# Altium PCB NeuroPico Hub.PcbDoc (part 3 of 5)
Units mm, origin at the board's own origin, x right, y up, seen from the top; angles counter-clockwise.
Board outline 60 x 84 mm, 6 copper layers (Top Layer, Layer 2, Layer 3, Layer 4, Layer 5, Bottom Layer), stack 1.611 mm thick; 397 components, 237 nets, 1370 pads, 631 vias.
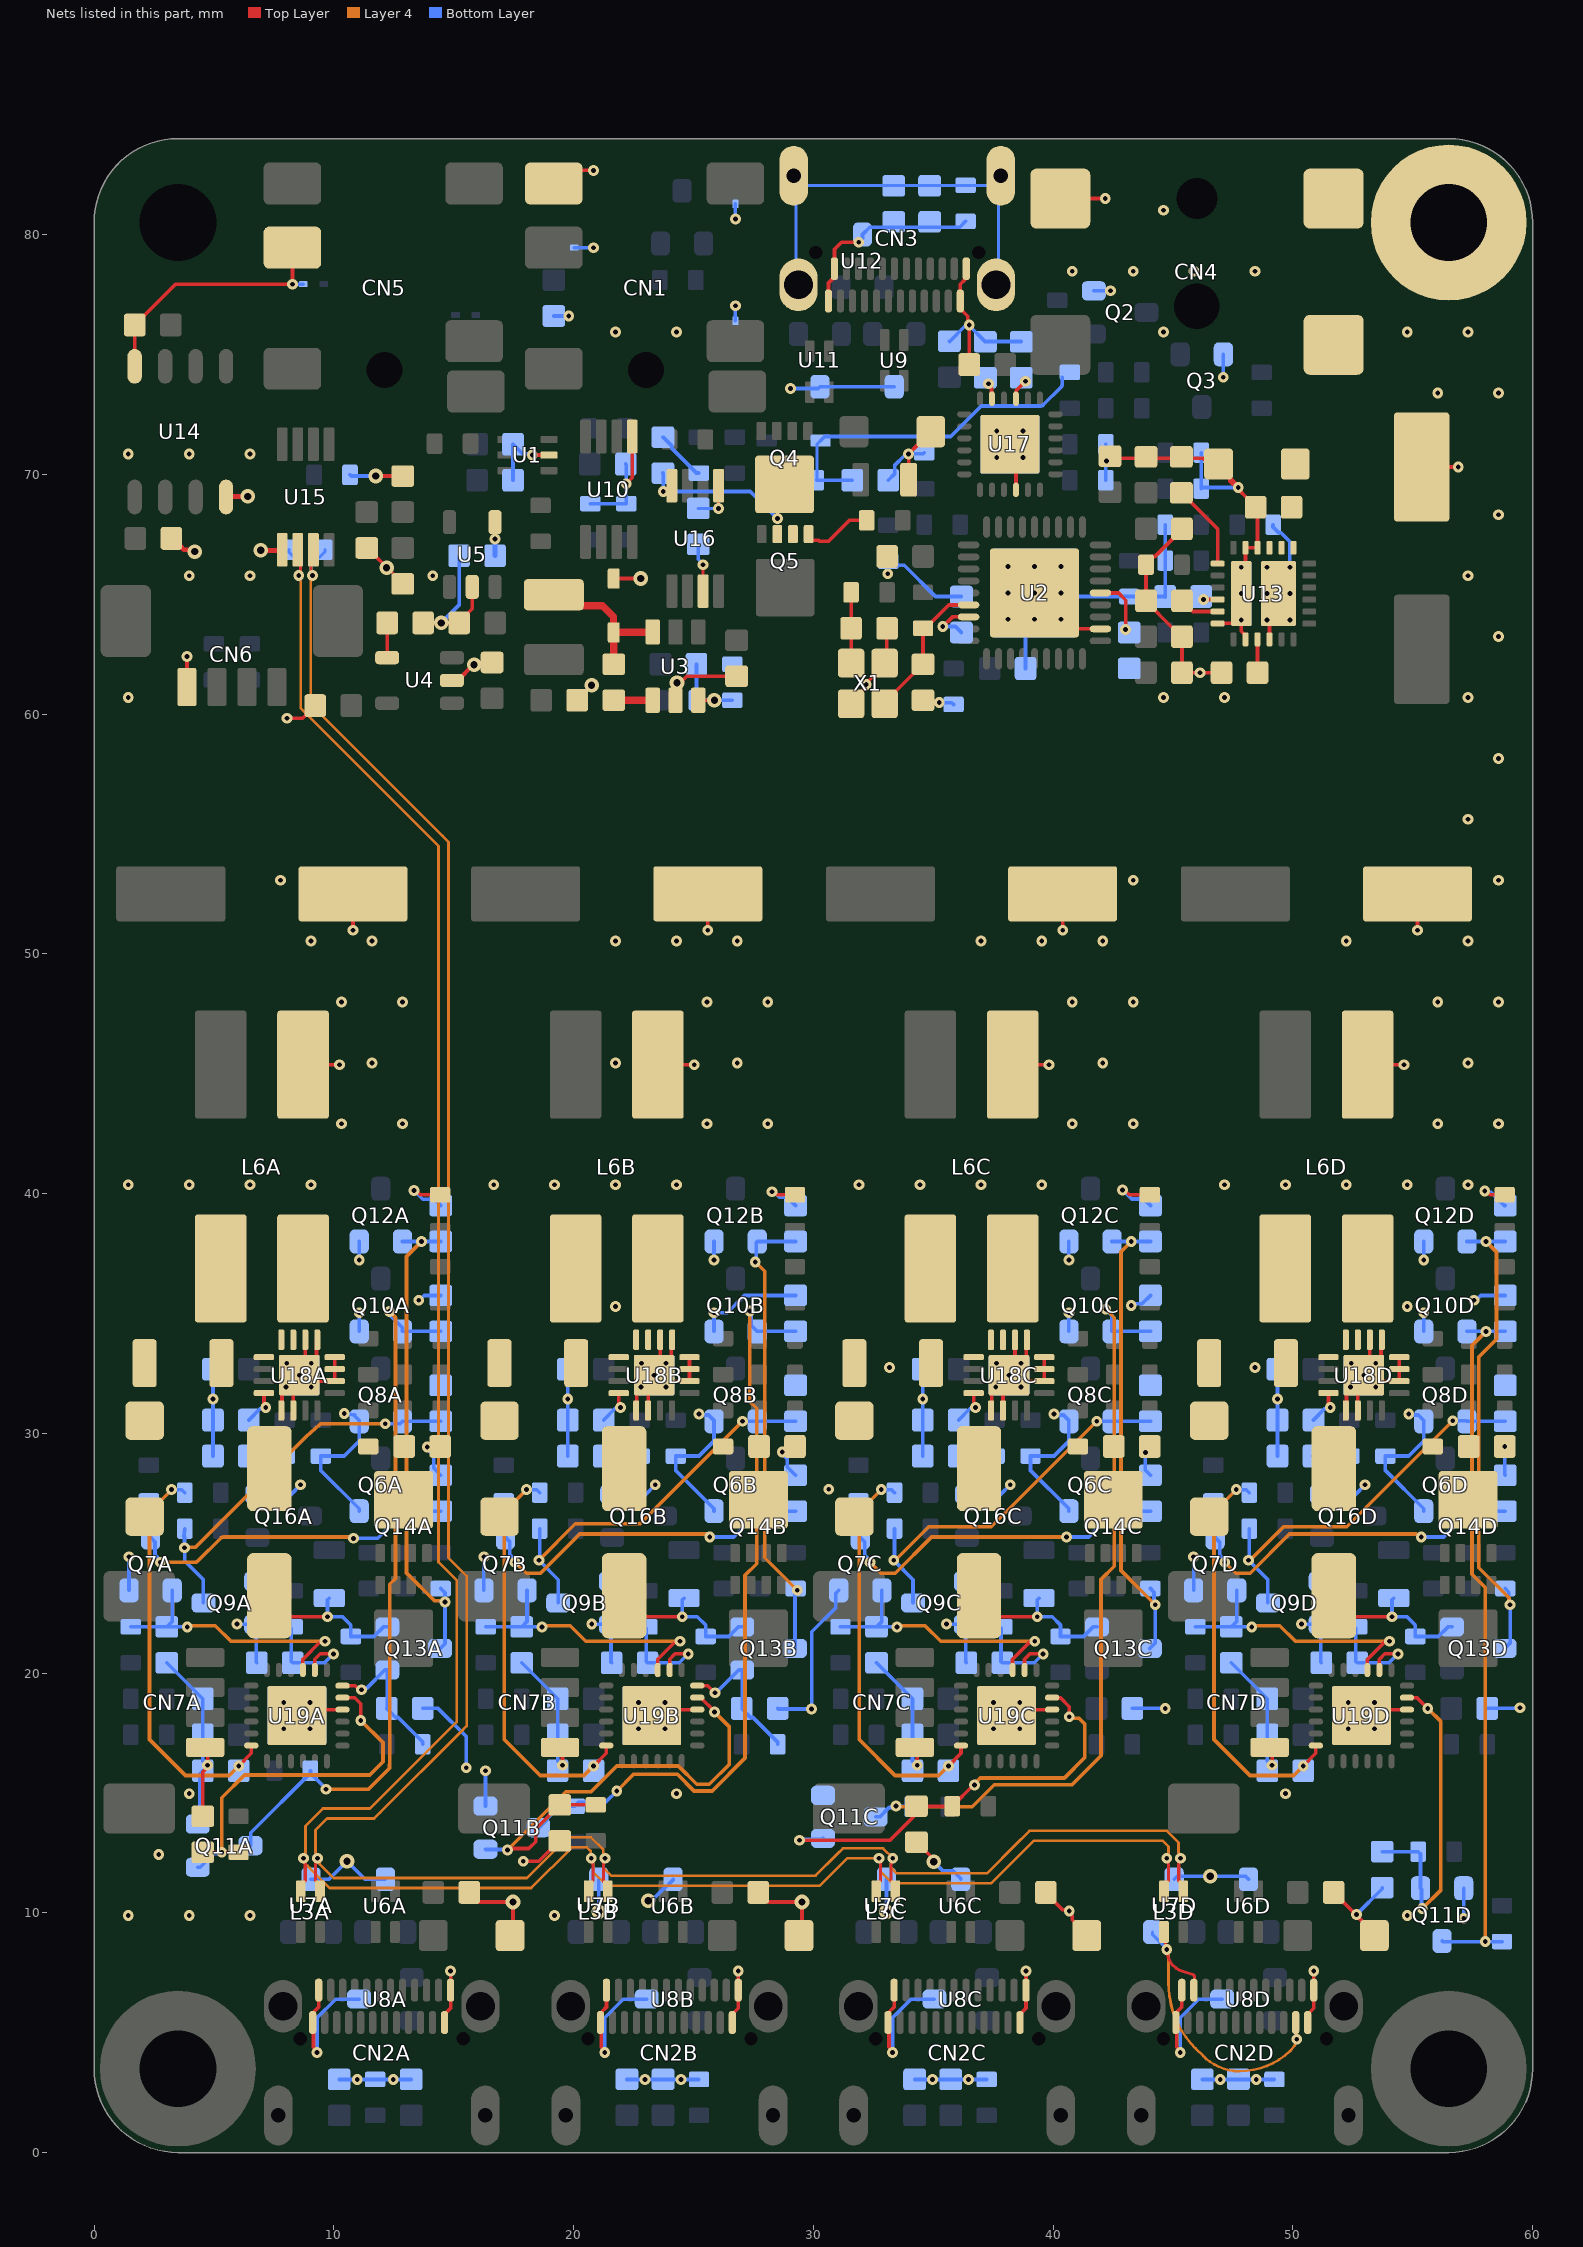
[diagram p7: the nets of this part, all layers, seen from the top]

## Via types
v1: diameter 0.45, hole 0.2, Top Layer to Bottom Layer, tented both sides, 570 vias
v2: diameter 0.5, hole 0.2, Top Layer to Bottom Layer, tented both sides, 38 vias
v3: diameter 0.61, hole 0.305, Top Layer to Bottom Layer, tented both sides, 23 vias

## Nets (pads, with @x,y where several pads share a name; then routed paths per layer and width w, separated by ;. In a path a pad name is that pad's centre, name@x,y a point inside that pad or via, vN(x,y) a via of type N, cw(c..) or ccw(c..) an arc to the next point about the centre after c; other vN are vias at no path point) (continued)
CLKOUT_CND_P: CN2D.A2 CN2D.B2 L3D.2 U7D.2 | length 16.5
  Top Layer w0.13: L3D.2@44.625,9.2 44.681,9.144 v1@44.681,8.531 ; CN2D.B2@50.12,5.425 cw(c50.074,5.379) 50.139,5.379 50.139,4.771 ccw(c50.205,4.771) v1(50.159,4.725) ; v1@44.681,8.531 v1(44.737,8.475) v1@44.681,8.531 ; 45.123,7.699 cw(c45.597,8.375) 44.771,8.385 ccw(c45.597,8.375) 45.123,7.699 ; 45.123,7.699 45.136,7.689 ; 45.123,7.699 45.136,7.689 ; 45.136,7.689 ccw(c45.542,8.268) 45.31,7.6 ; 45.136,7.689 ccw(c45.542,8.268) 45.31,7.6 ; 45.31,7.6 45.816,7.424 ; 45.31,7.6 45.816,7.424 ; 45.816,7.424 cw(c45.773,7.302) 45.903,7.302 ; 45.816,7.424 cw(c45.773,7.302) 45.903,7.302 ; CN2D.A2@45.903,7.138 CN2D.A2@45.87,6.775 CN2D.A2@45.903,7.138 ; CN2D.A2@45.903,7.138 45.903,7.302 ; CN2D.A2@45.903,7.138 45.903,7.302
  Layer 4 w0.112: v1(44.737,8.475) cw(c44.58,8.319) 44.801,8.319 44.801,8.278 ccw(c44.854,8.278) 44.817,8.24 44.817,7.095 ccw(c45.233,7.094) 44.817,7.094 44.817,7.092 44.817,7.055 ccw(c48.645,7.055) 44.846,6.582 ccw(c45.053,6.608) 44.847,6.572 cw(c43.88,6.4) 44.858,6.495 ccw(c45.065,6.516) 44.859,6.486 ccw(c48.645,7.055) 45.937,4.349 46.266,4.02 46.388,3.898 46.53,3.796 ccw(c47.78,5.537) 47.78,3.394 ccw(c47.78,6.449) 49.89,4.238 ccw(c49.524,4.62) 49.943,4.298 50.065,4.457 ccw(c49.977,4.525) 50.066,4.458 50.084,4.482 50.094,4.506 ; 50.094,4.506 v1@50.158,4.725
  Bottom Layer w0.13: U7D.2@44.15,9.2 44.15,9.081 v1@44.737,8.494 ; v1@44.737,8.494 v1(44.737,8.475) v1@44.737,8.494
CLKOUT_N: L3A.4 L3B.4 L3C.4 L3D.4 R29.1 U15.7 | length 109.3
  Top Layer w0.13: v1@9.042,65.955 9.042,66.742 U15.7@9.15,66.85 ; v1(9.314,12.275) 9.252,12.214 9.252,12.049 9.242,12.039 9.242,11.333 9.425,11.15 L3A.4@9.425,10.9 ; v1(21.314,12.275) 21.252,12.214 21.252,12.049 21.242,12.039 21.242,11.333 21.425,11.15 L3B.4@21.425,10.9 ; v1(33.314,12.275) 33.252,12.214 33.252,12.049 33.242,12.039 33.242,11.333 33.425,11.15 L3C.4@33.425,10.9 ; v1(45.314,12.275) 45.252,12.214 45.252,12.049 45.242,12.039 45.242,11.333 45.425,11.15 L3D.4@45.425,10.9
  Layer 4 w0.112: v1(9.113,65.775) 9.049,65.71 9.049,65.556 9.033,65.54 9.033,60.417 14.541,54.909 14.785,54.665 14.785,24.799 15.538,24.046 15.538,17.788 15.294,17.544 11.928,14.178 11.684,13.934 9.717,13.934 9.233,13.45 9.233,12.51 9.249,12.494 9.249,12.34 9.378,12.21 9.378,12.068 9.408,12.038 9.996,11.45 18.061,11.45 19.517,12.906 19.761,13.15 20.735,13.15 21.233,12.651 21.233,12.51 21.249,12.494 21.249,12.34 v1(21.314,12.275) 21.249,12.21 21.249,12.056 21.233,12.04 21.233,11.882 21.569,11.547 30.097,11.547 30.992,12.442 31.236,12.686 31.395,12.686 31.401,12.692 32.909,12.692 33.314,12.287 v1(33.314,12.275) 33.249,12.21 33.249,12.056 33.233,12.04 33.233,11.882 33.469,11.647 37.247,11.647 38.506,12.906 38.895,13.295 39.017,13.417 44.748,13.417 45.233,12.931 45.233,12.51 45.249,12.494 45.249,12.34 v1(45.314,12.275)
  Bottom Layer w0.13: v1(9.113,65.775) 9.113,65.862 9.042,65.933 9.042,66.176 9.625,66.759 R29.1@9.625,66.85
CLKOUT_P: L3A.1 L3B.1 L3C.1 L3D.1 R29.2 U15.6 | length 109.2
  Top Layer w0.13: U15.6@8.5,66.85 8.608,66.742 v1@8.608,65.955 ; L3A.1@8.625,10.9 8.625,11.15 8.808,11.333 8.808,12.039 8.798,12.049 8.798,12.214 v1(8.737,12.275) ; L3B.1@20.625,10.9 20.625,11.15 20.808,11.333 20.808,12.039 20.798,12.049 20.798,12.214 v1(20.737,12.275) ; L3C.1@32.625,10.9 32.625,11.15 32.808,11.333 32.808,12.039 32.798,12.049 32.798,12.214 v1(32.737,12.275) ; L3D.1@44.625,10.9 44.625,11.15 44.808,11.333 44.808,12.039 44.798,12.049 44.798,12.214 v1(44.737,12.275)
  Layer 4 w0.112: v1(8.536,65.775) 8.601,65.71 8.601,65.556 8.617,65.54 8.617,60.244 14.368,54.493 14.368,24.627 15.121,23.874 15.121,17.961 11.512,14.351 9.545,14.351 8.817,13.623 8.817,12.51 8.801,12.494 8.801,12.34 v1(8.737,12.275) 8.801,12.21 8.801,12.056 8.908,11.949 8.992,11.865 9.824,11.033 18.233,11.033 19.933,12.733 20.562,12.733 20.713,12.583 20.713,12.299 v1(20.737,12.275) 20.801,12.21 20.801,12.056 20.817,12.04 20.817,11.71 21.396,11.13 30.27,11.13 31.409,12.269 32.731,12.269 v1(32.737,12.275) 32.801,12.21 32.801,12.056 32.817,12.04 32.817,11.71 33.296,11.23 37.42,11.23 39.189,13 44.575,13 44.817,12.758 44.817,12.51 44.801,12.494 44.801,12.34 v1(44.737,12.275)
  Bottom Layer w0.13: R29.2@8.125,66.85 8.125,66.759 8.608,66.276 8.608,66.011 8.598,66.001 8.598,65.836 v1(8.536,65.775)
DCIN: C33.2 CN4.1 D7.2 R23.2 U13.1 U13.2 U13.3 U13.16 U13.25 | length 3
  Top Layer w0.152: v2(48.925,63.925) 49.025,63.825 U13.16@49.025,63.112
  Bottom Layer w0.152: R23.2@49.175,67.9 49.175,67.803 49.423,67.554 49.521,67.554 49.875,67.2 v2(49.875,66.125)
  other v2: 49.875,63.925 48.925,65.025 49.875,65.025 48.925,66.125
GND: C1.1 C2.1 C3.1 C4.1 C5.1 C6.1 C7.1 C8.1 C9.1 C10.1 C11.1 C12.1 C13.2 C14.2 C17.1 C18.1 C19.1 C20.1 C21.1 C22.1 C23.1 C24.1 C25A.1 C25B.1 C25C.1 C25D.1 C26A.2 C26B.2 C26C.2 C26D.2 C27A.2 C27B.2 C27C.2 C27D.2 C28.1 C29.1 C30.1 C31.1 C32.2 C33.1 C34.2 C35.2 C36.2 C37.1 C39.2 C40.1 C41.1 C43.1 C44.1 C46.1 C47.1 C48.1 C50A.2 C50B.2 C50C.2 C50D.2 C51A.2 C51B.2 C51C.2 C51D.2 C52A.1 C52B.1 C52C.1 C52D.1 C53A.1 C53B.1 C53C.1 C53D.1 C54A.2 C54B.2 C54C.2 C54D.2 C55A.1 C55B.1 C55C.1 C55D.1 C56A.1 C56B.1 C56C.1 C56D.1 C57A.1 C57B.1 C57C.1 C57D.1 C58A.1 C58B.1 C58C.1 C58D.1 C59A.1 C59B.1 C59C.1 C59D.1 C60A.1 C60B.1 C60C.1 C60D.1 C61A.1 C61B.1 C61C.1 C61D.1 C62A.1 C62B.1 C62C.1 C62D.1 C63A.2 C63B.2 C63C.2 C63D.2 C64A.2 C64B.2 C64C.2 C64D.2 C65A.2 C65B.2 C65C.2 C65D.2 C66A.2 C66B.2 C66C.2 C66D.2 CN1.1 CN2A.A1 CN2A.A12 CN2A.B1 CN2A.B12 CN2B.A1 CN2B.A12 CN2B.B1 CN2B.B12 CN2C.A1 CN2C.A12 CN2C.B1 CN2C.B12 CN2D.A1 CN2D.A12 CN2D.B1 CN2D.B12 CN3.A1 CN3.A12 CN3.B1 CN3.B12 CN4.2 CN6.4 CN7A.4 CN7B.4 CN7C.4 CN7D.4 D1.1 D2.1 D3.1 D4.2 D5A.1 D5B.1 D5C.1 D5D.1 D6.1 D7.1 L6A.2 L6B.2 L6C.2 L6D.2 pad.0@56.5,80.5 Q2.2 Q3.2 Q6A.2 Q6B.2 Q6C.2 Q6D.2 Q7A.2 Q7B.2 Q7C.2 Q7D.2 Q8A.2 Q8B.2 Q8C.2 Q8D.2 Q9A.2 Q9B.2 Q9C.2 Q9D.2 Q10A.2 Q10B.2 Q10C.2 Q10D.2 Q11A.2 Q11B.2 Q11C.2 Q11D.2 Q12A.2 Q12B.2 Q12C.2 Q12D.2 Q13A.2 Q13B.2 Q13C.2 Q13D.2 R7.1 R8.2 R9.2 R10.2 R11.2 R13.1 R14A.2 R14B.2 R14C.2 R14D.2 R20.1 R21.1 R22.1 R25.1 R26.2 R27.1 R28.1 R36.1 R37.1 R38.1 R43A.1 R43B.1 R43C.1 R43D.1 R49A.1 R49B.1 R49C.1 R49D.1 R61A.1 R61B.1 R61C.1 R61D.1 R62A.1 R62B.1 R62C.1 R62D.1 U1.2 U2.0 U2.11 U3.2 U4.2 U5.2 U6A.3 U6B.3 U6C.3 U6D.3 U7A.3 U7B.3 U7C.3 U7D.3 U8A.3 U8B.3 U8C.3 U8D.3 U9.3 U10.5 U11.3 U12.3 U13.4 U13.5 U13.12 U13.14 U13.26 U14.4 U15.5 U17.0 U17.10 U18A.0 U18A.5 U18A.6 U18A.10 U18A.11 U18A.12 U18A.13 U18A.14 U18B.0 U18B.5 U18B.6 U18B.10 U18B.11 U18B.12 U18B.13 U18B.14 U18C.0 U18C.5 U18C.6 U18C.10 U18C.11 U18C.12 U18C.13 U18C.14 U18D.0 U18D.5 U18D.6 U18D.10 U18D.11 U18D.12 U18D.13 U18D.14 U19A.0 U19A.10 U19B.0 U19B.10 U19C.0 U19C.10 U19D.0 U19D.10 X1.2 X1.4 | length 402.1
  Top Layer w0.152: CN6.4@3.875,61.17 v1(3.875,62.4) ; C60A.1@4.535,14.025 4.535,15.873 4.735,16.073 v1(4.735,16.153) CN7A.4@4.735,16.9 ; C63A.2@7.31,23.225 7.31,23.19 8.147,22.353 9.732,22.353 v1(9.735,22.35) ; U18A.5@7.81,30.95 7.841,30.981 7.841,31.756 v1(8.01,31.925) ; v1(8.05,59.825) 8.705,59.825 9.225,60.345 C19.1@9.225,60.35 ; U18A.6@8.31,30.95 8.31,32.175 v1(8.56,32.425) ; U19A.0@8.46,18.225 8.71,18.475 U19A.10@10.36,18.475 ; L6A.2@8.715,45.375 v1(10.235,45.375) ; U18A.14@8.81,33.9 8.81,32.675 v1(8.56,32.425) ; v1(9.06,32.925) 9.279,33.144 9.279,33.869 U18A.13@9.31,33.9 ; v1(9.3,4.175) 9.3,4.256 9.155,4.401 9.155,5.391 CN2A.B12@9.12,5.425 9.171,5.476 9.171,5.873 9.37,6.072 CN2A.A1@9.37,6.775 ; U18A.12@10.035,33.175 U18A.11@10.035,32.675 U18A.10@10.035,32.175 8.81,32.175 v1(8.56,32.425) ; v1(10.8,50.98) C50A.2@10.8,52.5 ; C41.1@11.375,66.925 11.4,66.925 12.499,65.826 12.499,65.796 12.87,65.425 C23.1@12.875,65.425 C23.1@12.9,65.425 ; v3(11.75,69.925) C40.1@12.875,69.925 ; v1(13.35,40.125) 13.431,40.125 13.606,39.95 R49A.1@14.435,39.95 ; C20.1@13.725,63.8 v3(14.475,63.8) C18.1@15.225,63.8 15.225,63.845 15.775,64.395 U5.2@15.775,65.3 ; v1(13.9,29.425) 14.41,29.425 C52A.1@14.435,29.45 ; CN2A.B1@14.62,5.425 14.62,5.77 14.87,6.02 CN2A.A12@14.87,6.775 v1(14.87,7.575) ; U4.2@14.925,61.4 U4.2@15.146,61.4 ; C25A.1@15.65,10.85 15.65,10.845 16.021,10.474 16.026,10.474 16.05,10.45 v3(17.475,10.45) 17.475,9.175 D5A.1@17.35,9.05 ; v3(15.85,62.05) 15.825,62.05 15.175,61.4 U4.2@15.146,61.4 ; C22.1@16.6,62.15 15.896,62.15 U4.2@15.146,61.4 ; v1(17.9,12.15) 18.55,12.15 19.4,13 C60B.1@19.425,13 ; v1(18.275,70.8) U1.2@18.975,70.8 ; CN1.1@19.175,82.125 19.725,82.675 v1(20.825,82.675) ; v1(19.535,16.153) CN7B.4@19.535,16.9 ; C17.1@20.15,60.575 20.15,60.6 v3(20.75,61.2) ; v1(21.3,4.175) 21.3,4.256 21.155,4.401 21.155,5.391 CN2B.B12@21.12,5.425 21.171,5.476 21.171,5.873 21.37,6.072 CN2B.A1@21.37,6.775 ; D4.2@21.675,65.65 v3(22.8,65.65) ; C63B.2@22.11,23.225 22.11,23.19 22.947,22.353 24.532,22.353 v1(24.535,22.35) ; v1(22.2,69.6) 22.45,69.85 U10.5@22.45,71.575 ; U18B.5@22.61,30.95 22.641,30.981 22.641,31.756 v1(22.81,31.925) ; U18B.6@23.11,30.95 23.11,32.175 v1(23.36,32.425) ; U19B.0@23.26,18.225 23.51,18.475 U19B.10@25.16,18.475 ; L6B.2@23.515,45.375 v1(25.035,45.375) ; U18B.14@23.61,33.9 23.61,32.675 v1(23.36,32.425) ; v1(23.86,32.925) 24.079,33.144 24.079,33.869 U18B.13@24.11,33.9 ; U3.2@24.25,60.575 24.283,60.608 24.283,61.265 v3(24.315,61.298) 24.439,61.298 24.716,61.575 C21.1@26.8,61.575 ; U18B.12@24.835,33.175 U18B.11@24.835,32.675 U18B.10@24.835,32.175 23.61,32.175 v1(23.36,32.425) ; v1(25.6,50.98) C50B.2@25.6,52.5 ; CN2B.B1@26.62,5.425 26.62,5.77 26.87,6.02 CN2B.A12@26.87,6.775 v1(26.87,7.575) ; C25B.1@27.7,10.85 27.7,10.845 28.071,10.474 28.076,10.474 28.1,10.45 v3(29.525,10.45) 29.525,9.175 D5B.1@29.4,9.05 ; v1(28.275,40.075) 28.356,40.075 28.481,39.95 R49B.1@29.235,39.95 ; v1(28.7,29.225) 29.01,29.225 C52B.1@29.235,29.45 ; CN3.A12@30.63,77.225 30.63,77.98 30.88,78.23 30.88,79.38 31.178,79.678 v1(31.895,79.678) ; X1.4@31.575,60.425 31.575,60.508 32.152,61.085 32.152,61.169 v1(32.209,61.226) ; v1@32.2,61.3 32.233,61.3 33.062,62.129 33.062,63.563 C5.1@33.075,63.575 ; v1(33.3,4.175) 33.3,4.256 33.155,4.401 33.155,5.391 CN2C.B12@33.12,5.425 33.171,5.476 33.171,5.873 33.37,6.072 CN2C.A1@33.37,6.775 ; C28.1@33.975,69.775 v1(33.975,70.85) 34.326,71.201 34.336,71.201 34.9,71.765 D6.1@34.9,71.775 ; C60C.1@34.3,12.95 34.305,12.95 35.025,12.23 v3(35.025,12.135) ; v1(34.335,16.153) CN7C.4@34.335,16.9 ; C4.1@34.575,60.575 34.675,60.475 v1(35.25,60.475) ; CN3.B12@36.38,78.575 36.329,78.524 36.329,78.127 36.13,77.928 36.13,76.9 36.443,76.587 36.443,76.282 v1(36.5,76.225) C46.1@36.5,74.575 ; C63C.2@36.91,23.225 36.91,23.19 37.747,22.353 39.332,22.353 v1(39.335,22.35) ; U18C.5@37.41,30.95 37.441,30.981 37.441,31.756 v1(37.61,31.925) ; U18C.6@37.91,30.95 37.91,32.175 v1(38.16,32.425) ; U19C.0@38.06,18.225 38.31,18.475 U19C.10@39.96,18.475 ; U17.0@38.2,71.25 38.45,71 U17.10@38.45,69.35 ; L6C.2@38.315,45.375 v1(39.835,45.375) ; U18C.14@38.41,33.9 38.41,32.675 v1(38.16,32.425) ; CN2C.B1@38.62,5.425 38.62,5.77 38.87,6.02 CN2C.A12@38.87,6.775 v1(38.87,7.575) ; v1(38.66,32.925) 38.879,33.144 38.879,33.869 U18C.13@38.91,33.9 ; U18C.12@39.635,33.175 U18C.11@39.635,32.675 U18C.10@39.635,32.175 38.41,32.175 v1(38.16,32.425) ; C25C.1@39.7,10.85 39.7,10.825 40.393,10.132 40.618,10.132 40.618,10.051 40.8,9.869 40.8,9.713 41.4,9.113 D5C.1@41.4,9.05 ; CN4.2@40.3,81.5 v1(42.175,81.5) ; v2(40.325,63.95) 40.725,63.55 U2.11@41.975,63.55 ; v1(40.4,50.98) C50C.2@40.4,52.5 ; C6.1@42.375,70.669 46.256,70.669 46.5,70.425 46.525,70.45 46.9,70.45 46.9,70.335 47.725,69.51 v1(47.725,69.45) ; v1(42.9,40.15) 42.981,40.15 43.181,39.95 R49C.1@44.035,39.95 ; v1(43.851,29.201) 43.9,29.25 43.9,29.315 C52C.1@44.035,29.45 ; v1(45.3,4.175) 45.3,4.256 45.155,4.401 45.155,5.391 CN2D.B12@45.12,5.425 45.171,5.476 45.171,5.873 45.37,6.072 CN2D.A1@45.37,6.775 ; C12.1@45.375,67.725 45.375,67.7 44.246,66.571 44.123,66.571 43.875,66.322 R27.1@43.875,66.225 C35.2@43.875,64.725 43.875,64.7 44.974,63.601 45.004,63.601 45.375,63.23 C9.1@45.375,63.225 C10.1@45.375,61.725 v1(46.125,61.725) C37.1@46.875,61.725 ; U13.12@46.863,63.775 46.876,63.789 47.714,63.789 v2(47.85,63.925) 47.85,63.446 47.973,63.324 47.981,63.324 48.025,63.28 U13.14@48.025,63.112 ; D7.1@46.9,70.425 47.378,69.947 47.378,69.722 48.45,68.65 C33.1@48.45,68.625 48.525,68.55 U13.4@48.525,66.937 U13.5@48.025,66.937 48.025,66.299 v2(47.85,66.125) ; v1(49.135,16.153) CN7D.4@49.135,16.9 ; CN2D.B1@50.62,5.425 50.62,5.77 50.87,6.02 CN2D.A12@50.87,6.775 v1(50.87,7.575) ; C25D.1@51.7,10.85 51.7,10.845 52.62,9.925 v1(52.65,9.925) 52.65,9.888 53.4,9.138 D5D.1@53.4,9.05 ; C63D.2@51.71,23.225 51.71,23.19 52.547,22.353 54.132,22.353 v1(54.135,22.35) ; U18D.5@52.21,30.95 52.241,30.981 52.241,31.756 v1(52.41,31.925) ; U18D.6@52.71,30.95 52.71,32.175 v1(52.96,32.425) ; U19D.0@52.86,18.225 53.11,18.475 U19D.10@54.76,18.475 ; L6D.2@53.115,45.375 v1(54.635,45.375) ; U18D.14@53.21,33.9 53.21,32.675 v1(52.96,32.425) ; v1(53.46,32.925) 53.679,33.144 53.679,33.869 U18D.13@53.71,33.9 ; U18D.12@54.435,33.175 U18D.11@54.435,32.675 U18D.10@54.435,32.175 53.21,32.175 v1(52.96,32.425) ; v1(55.2,50.98) C50D.2@55.2,52.5 ; C32.2@55.375,70.3 v1(56.895,70.3) ; v1(58,40.1) 58.077,40.1 58.227,39.95 R49D.1@58.835,39.95
  Top Layer w0.203: C39.2@3.225,67.325 3.225,67.306 3.573,66.958 3.642,66.958 3.747,66.853 4.122,66.853 v3(4.2,66.775) ; U14.4@5.505,69.05 5.53,69.075 v3(6.405,69.075) ; v3(6.95,66.825) 7.825,66.825 U15.5@7.85,66.85
  Bottom Layer w0.152: Q7A.2@1.46,23.45 v1(1.46,24.85) ; C56A.1@3.035,20.425 C66A.2@4.535,18.925 C65A.2@4.535,17.425 4.535,16.321 4.706,16.15 4.709,16.153 v1(4.735,16.153) ; Q11A.2@4.325,13.7 4.411,13.786 4.411,15.801 C64A.2@4.535,15.925 ; C54A.2@4.96,29.05 C53A.1@4.96,30.55 v1(4.96,31.425) C51A.2@4.96,32.675 ; v1(5.96,22.05) 5.972,22.038 6.747,22.038 Q9A.2@6.76,22.025 6.76,20.45 C58A.1@6.785,20.425 ; U7A.3@9.05,11.4 9.8,11.4 v3(10.55,12.15) 11.3,11.4 U6A.3@12.15,11.4 ; v1(9.3,4.175) 9.3,5.625 10.075,6.4 U8A.3@11.05,6.4 ; R61A.1@9.81,23.125 9.735,23.05 v1(9.735,22.35) 10.36,22.35 10.71,22 R62A.1@10.71,21.525 11.668,21.525 12.068,21.925 Q13A.2@12.235,21.925 ; C26A.2@10.225,3.05 v1(10.975,3.05) R14A.2@11.725,3.05 v1(12.475,3.05) C27A.2@13.225,3.05 ; v1(10.435,30.828) 10.86,30.762 10.831,30.762 11.06,30.533 Q8A.2@11.06,30.5 11.06,29.675 10.435,29.05 R43A.1@9.46,29.05 9.46,28.45 11.06,26.85 Q6A.2@11.06,26.75 ; R28.1@10.675,69.975 10.725,69.925 v3(11.75,69.925) ; Q10A.2@11.06,34.25 v1(11.06,35.025) ; v1(11.06,37.225) Q12A.2@11.06,38 ; v1(13.35,40.125) 13.714,39.761 14.199,39.761 C61A.1@14.46,39.5 ; v1(13.545,35.55) 13.571,35.55 13.771,35.75 C59A.1@14.46,35.75 ; C62A.1@13.71,18.525 14.35,18.525 15.518,17.357 15.518,16.057 v1(15.525,16.05) ; v1(13.9,29.425) 13.9,29.344 14.174,29.071 14.174,28.536 C55A.1@14.46,28.25 ; v3(14.475,63.8) 15.225,64.55 C24.1@15.225,66.6 ; Q7B.2@16.26,23.45 v1(16.26,24.85) ; Q11B.2@16.325,14.45 v1(16.325,15.925) ; C2.1@17.475,69.75 C1.1@17.475,71.245 ; C1.1@17.475,71.25 C1.1@17.475,71.245 ; C56B.1@17.835,20.425 C66B.2@19.335,18.925 C65B.2@19.335,17.425 19.335,16.321 19.506,16.15 19.509,16.153 v1(19.535,16.153) ; v1(18.275,70.8) 18.218,70.857 17.868,70.857 17.851,70.874 17.846,70.874 C1.1@17.475,71.245 ; C3.1@19.175,76.6 v1(19.8,76.6) ; C54B.2@19.76,29.05 C53B.1@19.76,30.55 v1(19.76,31.425) C51B.2@19.76,32.675 ; D1.1@20.025,79.45 v1(20.825,79.45) ; R21.1@20.7,68.775 R20.1@22.2,68.775 v1(22.2,69.6) 22.2,70.4 C29.1@22.175,70.425 ; v1(20.76,22.05) 20.772,22.038 21.548,22.038 Q9B.2@21.56,22.025 21.56,20.45 C58B.1@21.585,20.425 ; v3(21.05,10.05) U7B.3@21.05,11.4 ; v1(21.3,4.175) 21.3,5.625 22.075,6.4 U8B.3@23.05,6.4 ; C26B.2@22.225,3.05 v1(22.975,3.05) v1(24.475,3.05) R14B.2@25.225,3.05 ; v3(23.118,10.5) 23.242,10.5 23.401,10.659 23.409,10.659 23.749,10.999 23.782,10.999 24.15,11.367 U6B.3@24.15,11.4 ; R61B.1@24.61,23.125 24.535,23.05 v1(24.535,22.35) 25.16,22.35 25.51,22 R62B.1@25.51,21.525 26.468,21.525 26.868,21.925 Q13B.2@27.035,21.925 ; v1(25.235,30.8) 25.273,30.762 25.631,30.762 25.86,30.533 Q8B.2@25.86,30.5 25.86,29.675 25.235,29.05 R43B.1@24.26,29.05 24.26,28.45 25.86,26.85 Q6B.2@25.86,26.75 ; Q10B.2@25.86,34.25 v1(25.86,35.025) 26.405,35.025 27.13,35.75 C59B.1@29.26,35.75 ; v1(25.86,37.225) Q12B.2@25.86,38 ; D2.1@26.75,76.4 v1(26.75,77.025) ; v1(26.75,80.65) D3.1@26.75,81.275 ; v1(28.275,40.075) 28.356,40.075 28.579,39.851 28.909,39.851 C61B.1@29.26,39.5 ; C62B.1@28.51,18.525 28.535,18.5 v1(29.925,18.5) 29.938,18.513 29.938,21.718 30.942,22.721 30.942,23.332 Q7C.2@31.06,23.45 ; v1(28.7,29.225) 28.7,29.144 28.916,28.929 28.916,28.594 C55B.1@29.26,28.25 ; v1(29.05,73.575) 30.2,73.575 U11.3@30.275,73.65 U9.3@33.375,73.65 ; v1(31.895,79.678) 32.05,79.833 U12.3@32.05,80 32.354,80.304 36.104,80.304 R22.1@36.35,80.55 ; C56C.1@32.635,20.425 C66C.2@34.135,18.925 C65C.2@34.135,17.425 34.135,16.321 34.306,16.15 34.309,16.153 v1(34.335,16.153) ; v3(33.05,10.05) U7C.3@33.05,11.4 ; v1(33.1,65.852) 33.1,66.35 R10.2@33.125,66.375 33.293,66.207 33.793,66.207 35.1,64.9 C13.2@36.175,64.9 ; C44.1@33.125,69.75 33.389,70.014 33.389,70.364 33.818,70.793 33.899,70.793 33.956,70.85 v1(33.975,70.85) 34.575,70.85 R36.1@34.625,70.9 ; v1(33.3,4.175) 33.3,5.625 34.075,6.4 U8C.3@35.05,6.4 ; C26C.2@34.225,3.05 v1(34.975,3.05) v1(36.475,3.05) R14C.2@37.225,3.05 ; C54C.2@34.56,29.05 C53C.1@34.56,30.55 v1(34.56,31.425) C51C.2@34.56,32.675 ; v3(35.025,12.135) 35.412,11.747 35.836,11.747 36.15,11.433 U6C.3@36.15,11.4 ; v1(35.25,60.475) 35.775,60.475 R7.1@35.85,60.4 ; v1(35.56,22.05) 35.572,22.038 36.348,22.038 Q9C.2@36.36,22.025 36.36,20.45 C58C.1@36.385,20.425 ; C43.1@35.688,75.537 C43.1@35.675,75.55 35.7,75.55 36.318,76.168 36.443,76.168 v1(36.5,76.225) 36.5,76.195 37.157,75.537 C48.1@37.175,75.537 ; C48.1@37.175,75.525 C48.1@37.175,75.537 ; C47.1@38.675,75.525 38.663,75.537 C48.1@37.175,75.537 ; C8.1@38.85,61.9 38.85,64.675 v2(39.225,65.05) 39.375,64.9 R11.2@43.175,64.9 44.65,64.9 C36.2@44.675,64.875 ; R61C.1@39.41,23.125 39.335,23.05 v1(39.335,22.35) 39.96,22.35 40.31,22 R62C.1@40.31,21.525 41.268,21.525 41.668,21.925 Q13C.2@41.835,21.925 ; v1(40.035,30.8) 40.073,30.762 40.431,30.762 40.66,30.533 Q8C.2@40.66,30.5 40.66,29.675 40.035,29.05 R43C.1@39.06,29.05 39.06,28.45 40.66,26.85 Q6C.2@40.66,26.75 ; Q10C.2@40.66,34.25 v1(40.66,35.025) ; v1(40.66,37.225) Q12C.2@40.66,38 ; Q2.2@41.7,77.65 v1(42.4,77.65) ; R37.1@42.2,69.75 R38.1@42.2,71.25 ; v1(42.9,40.15) 43.276,39.774 43.786,39.774 C61C.1@44.06,39.5 ; v1(43.258,35.325) 43.339,35.325 43.412,35.399 43.709,35.399 C59C.1@44.06,35.75 ; C62C.1@43.31,18.525 v1(44.675,18.525) ; v1(43.851,29.201) 43.851,28.459 C55C.1@44.06,28.25 ; C36.2@44.675,64.9 R26.2@44.675,66.4 R25.1@44.675,67.9 ; U7D.3@45.05,11.4 45.175,11.525 48.025,11.525 U6D.3@48.15,11.4 ; v1(45.3,4.175) 45.3,5.625 46.075,6.4 U8D.3@47.05,6.4 ; Q7D.2@45.86,23.45 v1(45.86,24.85) ; R8.2@46.175,69.4 R9.2@46.175,70.881 ; R9.2@46.175,70.9 46.175,69.45 v1(47.725,69.45) ; C26D.2@46.225,3.05 v1(46.975,3.05) v1(48.475,3.05) R14D.2@49.225,3.05 ; v1(47.1,74.05) Q3.2@47.1,75 ; C56D.1@47.435,20.425 C66D.2@48.935,18.925 C65D.2@48.935,17.425 48.935,16.321 49.106,16.15 49.109,16.153 v1(49.135,16.153) ; C54D.2@49.36,29.05 C53D.1@49.36,30.55 v1(49.36,31.425) C51D.2@49.36,32.675 ; v1(50.36,22.05) 50.373,22.038 51.148,22.038 Q9D.2@51.16,22.025 51.16,20.45 C58D.1@51.185,20.425 ; v1(52.65,9.925) 53.725,11 C60D.1@53.725,11.05 ; R61D.1@54.21,23.125 54.135,23.05 v1(54.135,22.35) 54.76,22.35 55.11,22 R62D.1@55.11,21.525 56.068,21.525 56.468,21.925 Q13D.2@56.635,21.925 ; v1(54.835,30.8) 54.873,30.762 55.231,30.762 55.46,30.533 Q8D.2@55.46,30.5 55.46,29.675 54.835,29.05 R43D.1@53.86,29.05 53.86,28.45 55.46,26.85 Q6D.2@55.46,26.75 ; Q10D.2@55.46,34.25 v1(55.46,35.025) ; v1(55.46,37.225) Q12D.2@55.46,38 ; v1(57.125,9.775) Q11D.2@57.125,11.025 ; v1(57.56,35.55) 57.641,35.55 57.841,35.75 C59D.1@58.86,35.75 ; v1(58,40.1) 58.057,40.043 58.272,40.043 58.815,39.5 C61D.1@58.86,39.5 ; C62D.1@58.11,18.525 58.115,18.53 59.458,18.53 v1(59.477,18.55) ; v1(58.835,29.45) 58.835,28.275 C55D.1@58.86,28.25